# Altium PCB Turbo.PcbDoc (part 1 of 3)
Units mil, origin at the board's own origin, x right, y up, seen from the top; angles counter-clockwise.
Board outline 2244.09 x 2086.61 mil, 4 copper layers (Top Layer, GND, Power, Bottom Layer), stack 23.756 mil thick; 189 components, 157 nets, 733 pads, 481 vias.
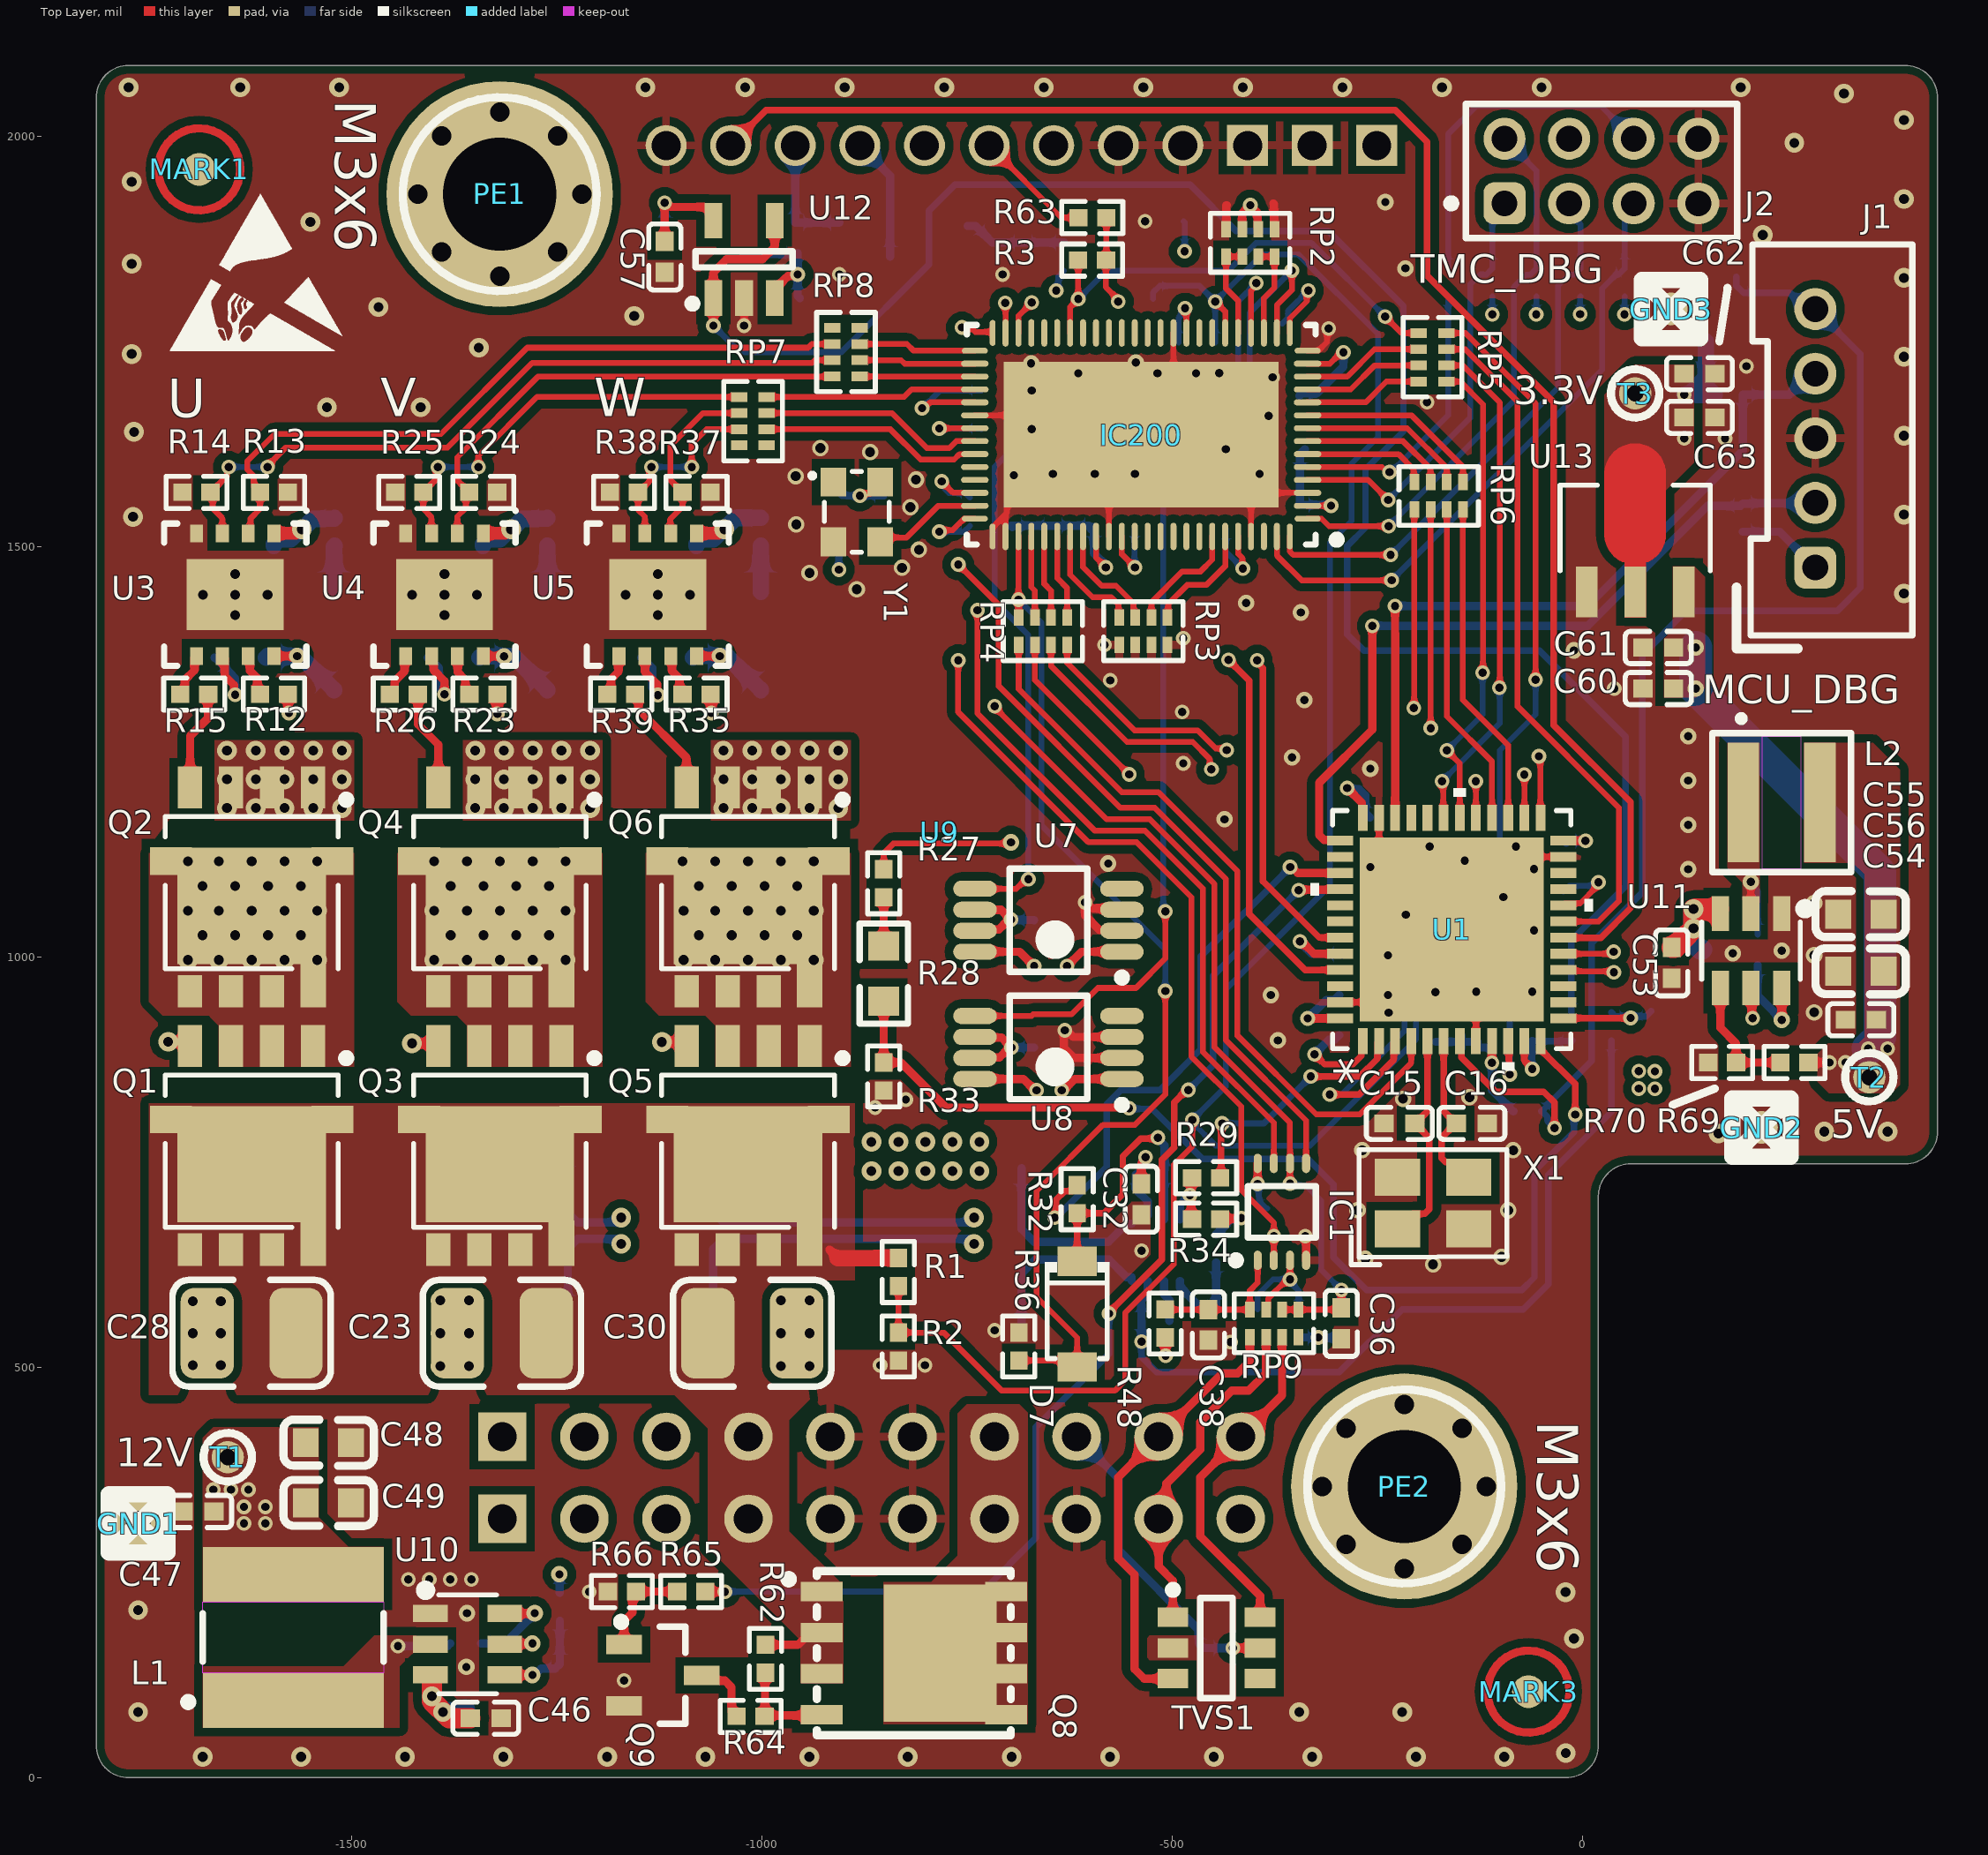
[diagram p0: Top Layer view]
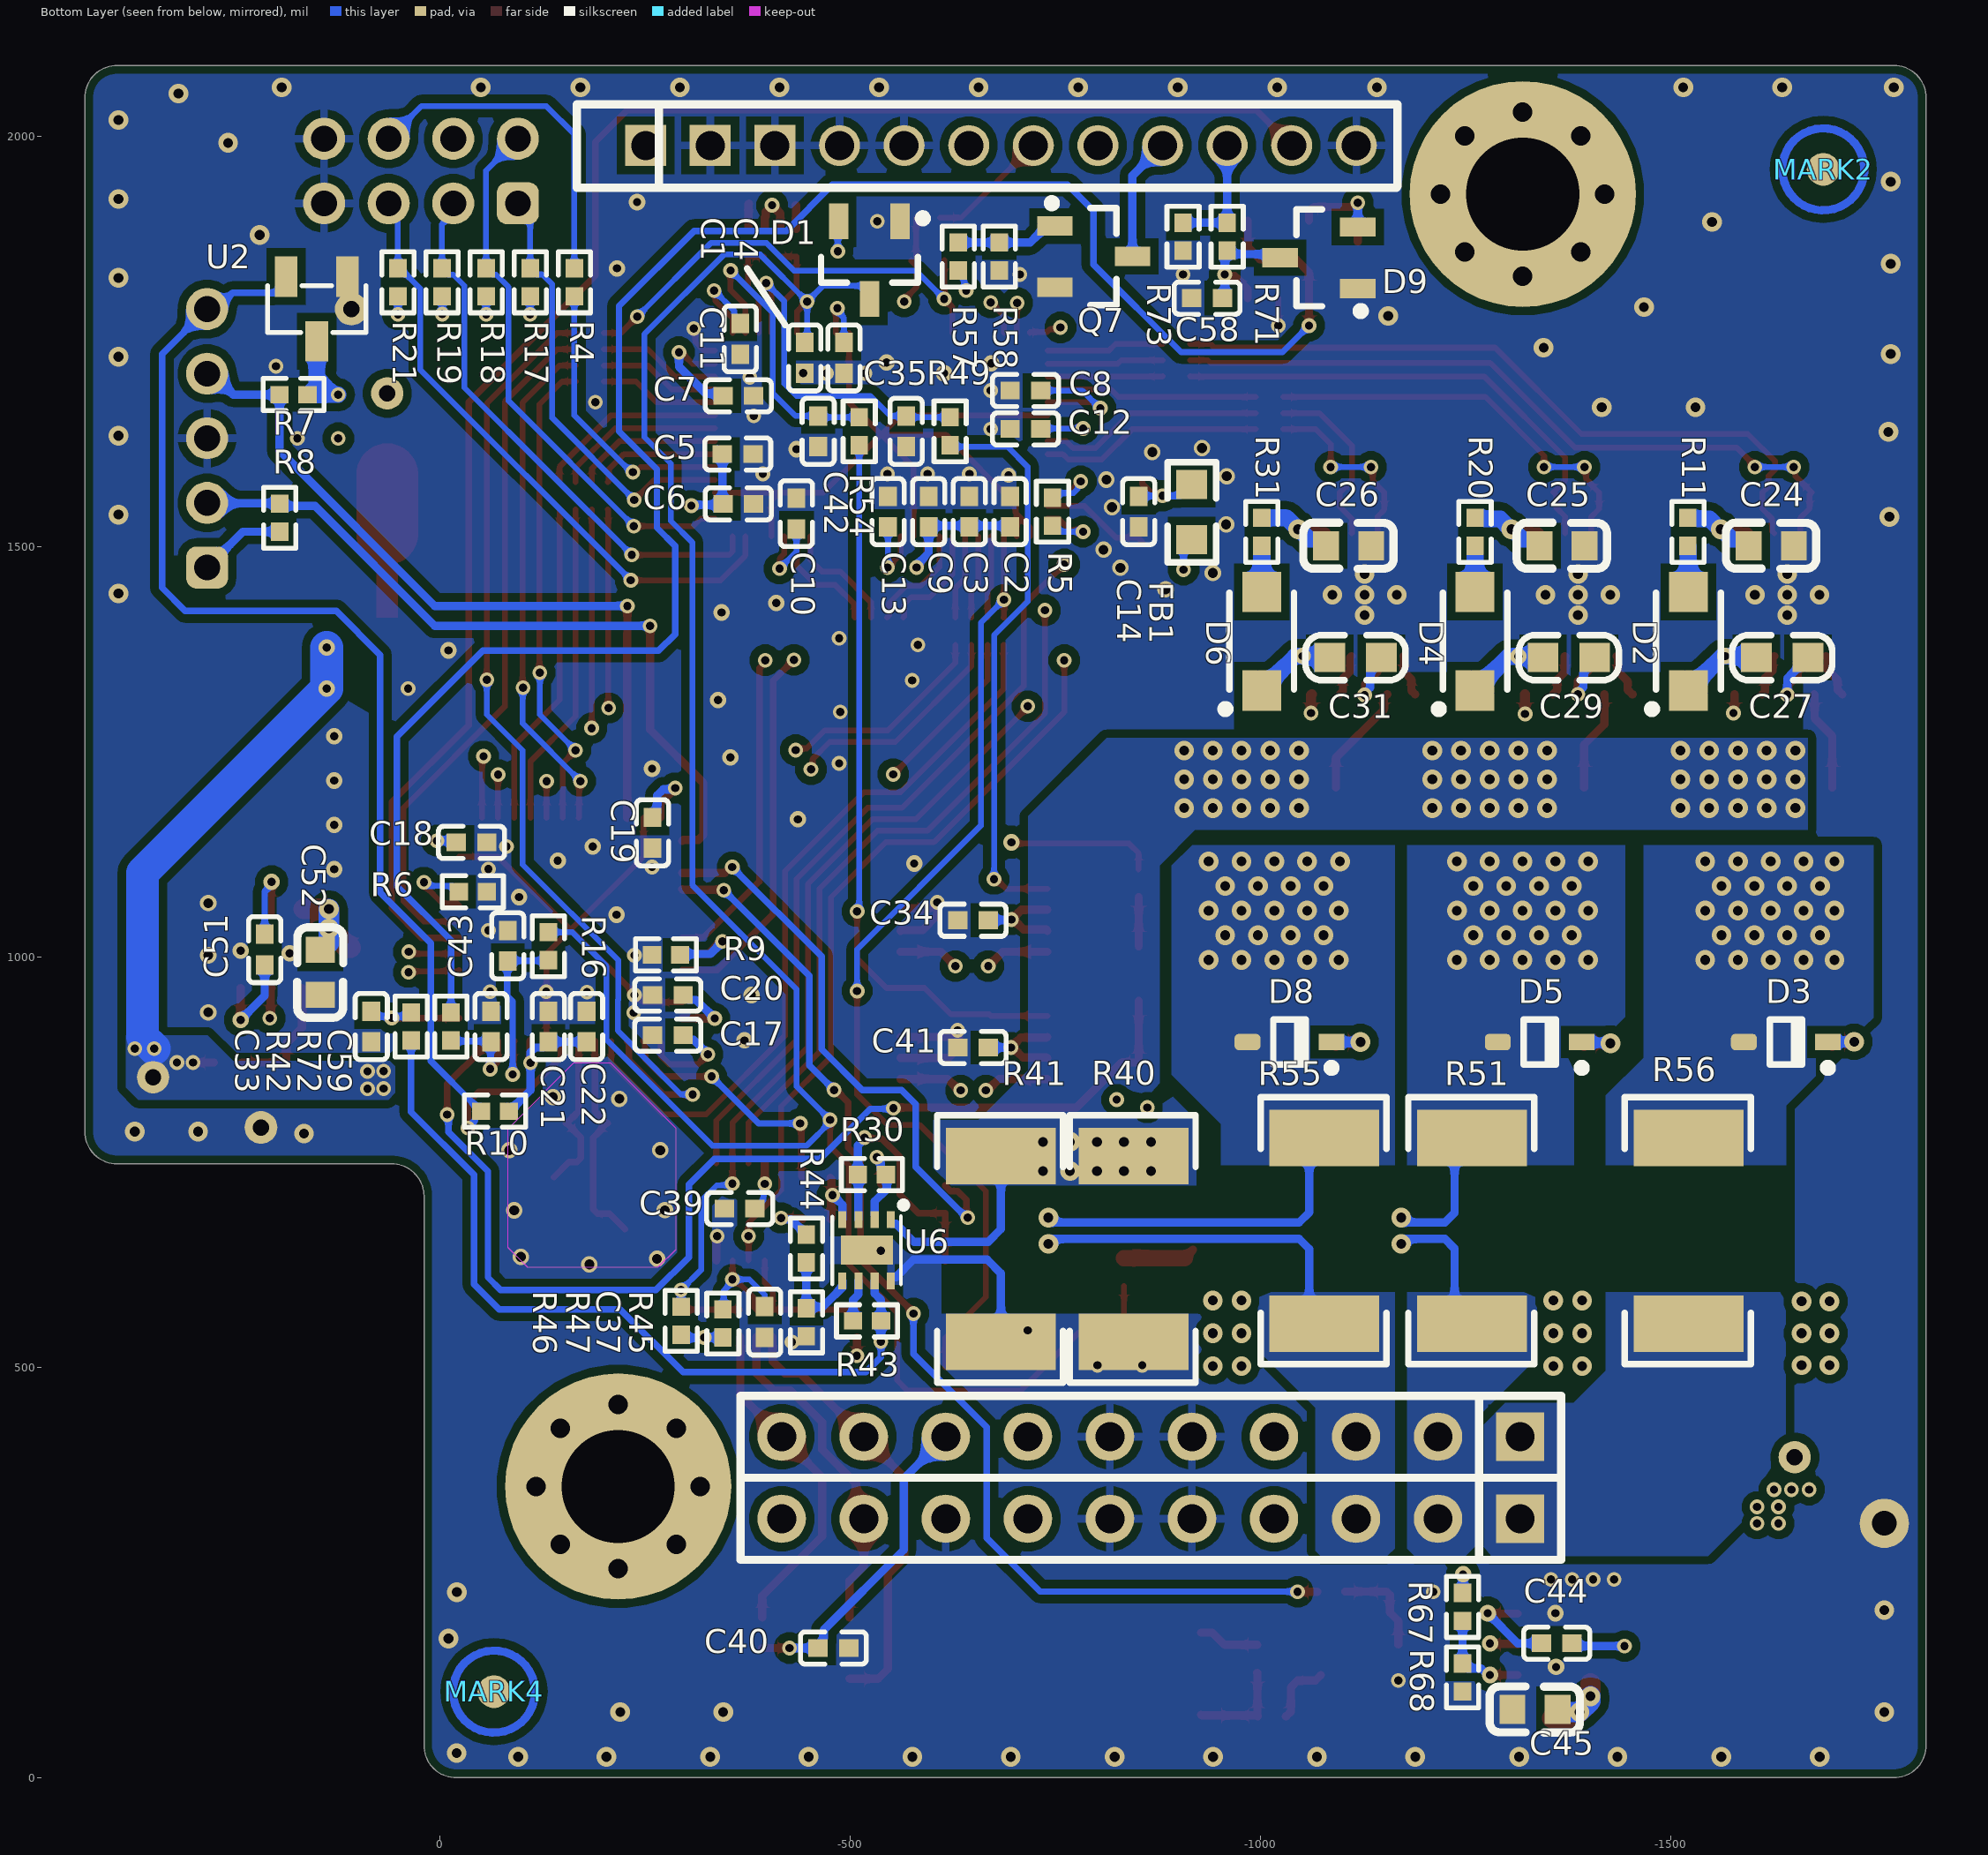
[diagram p1: Bottom Layer view, seen from below]
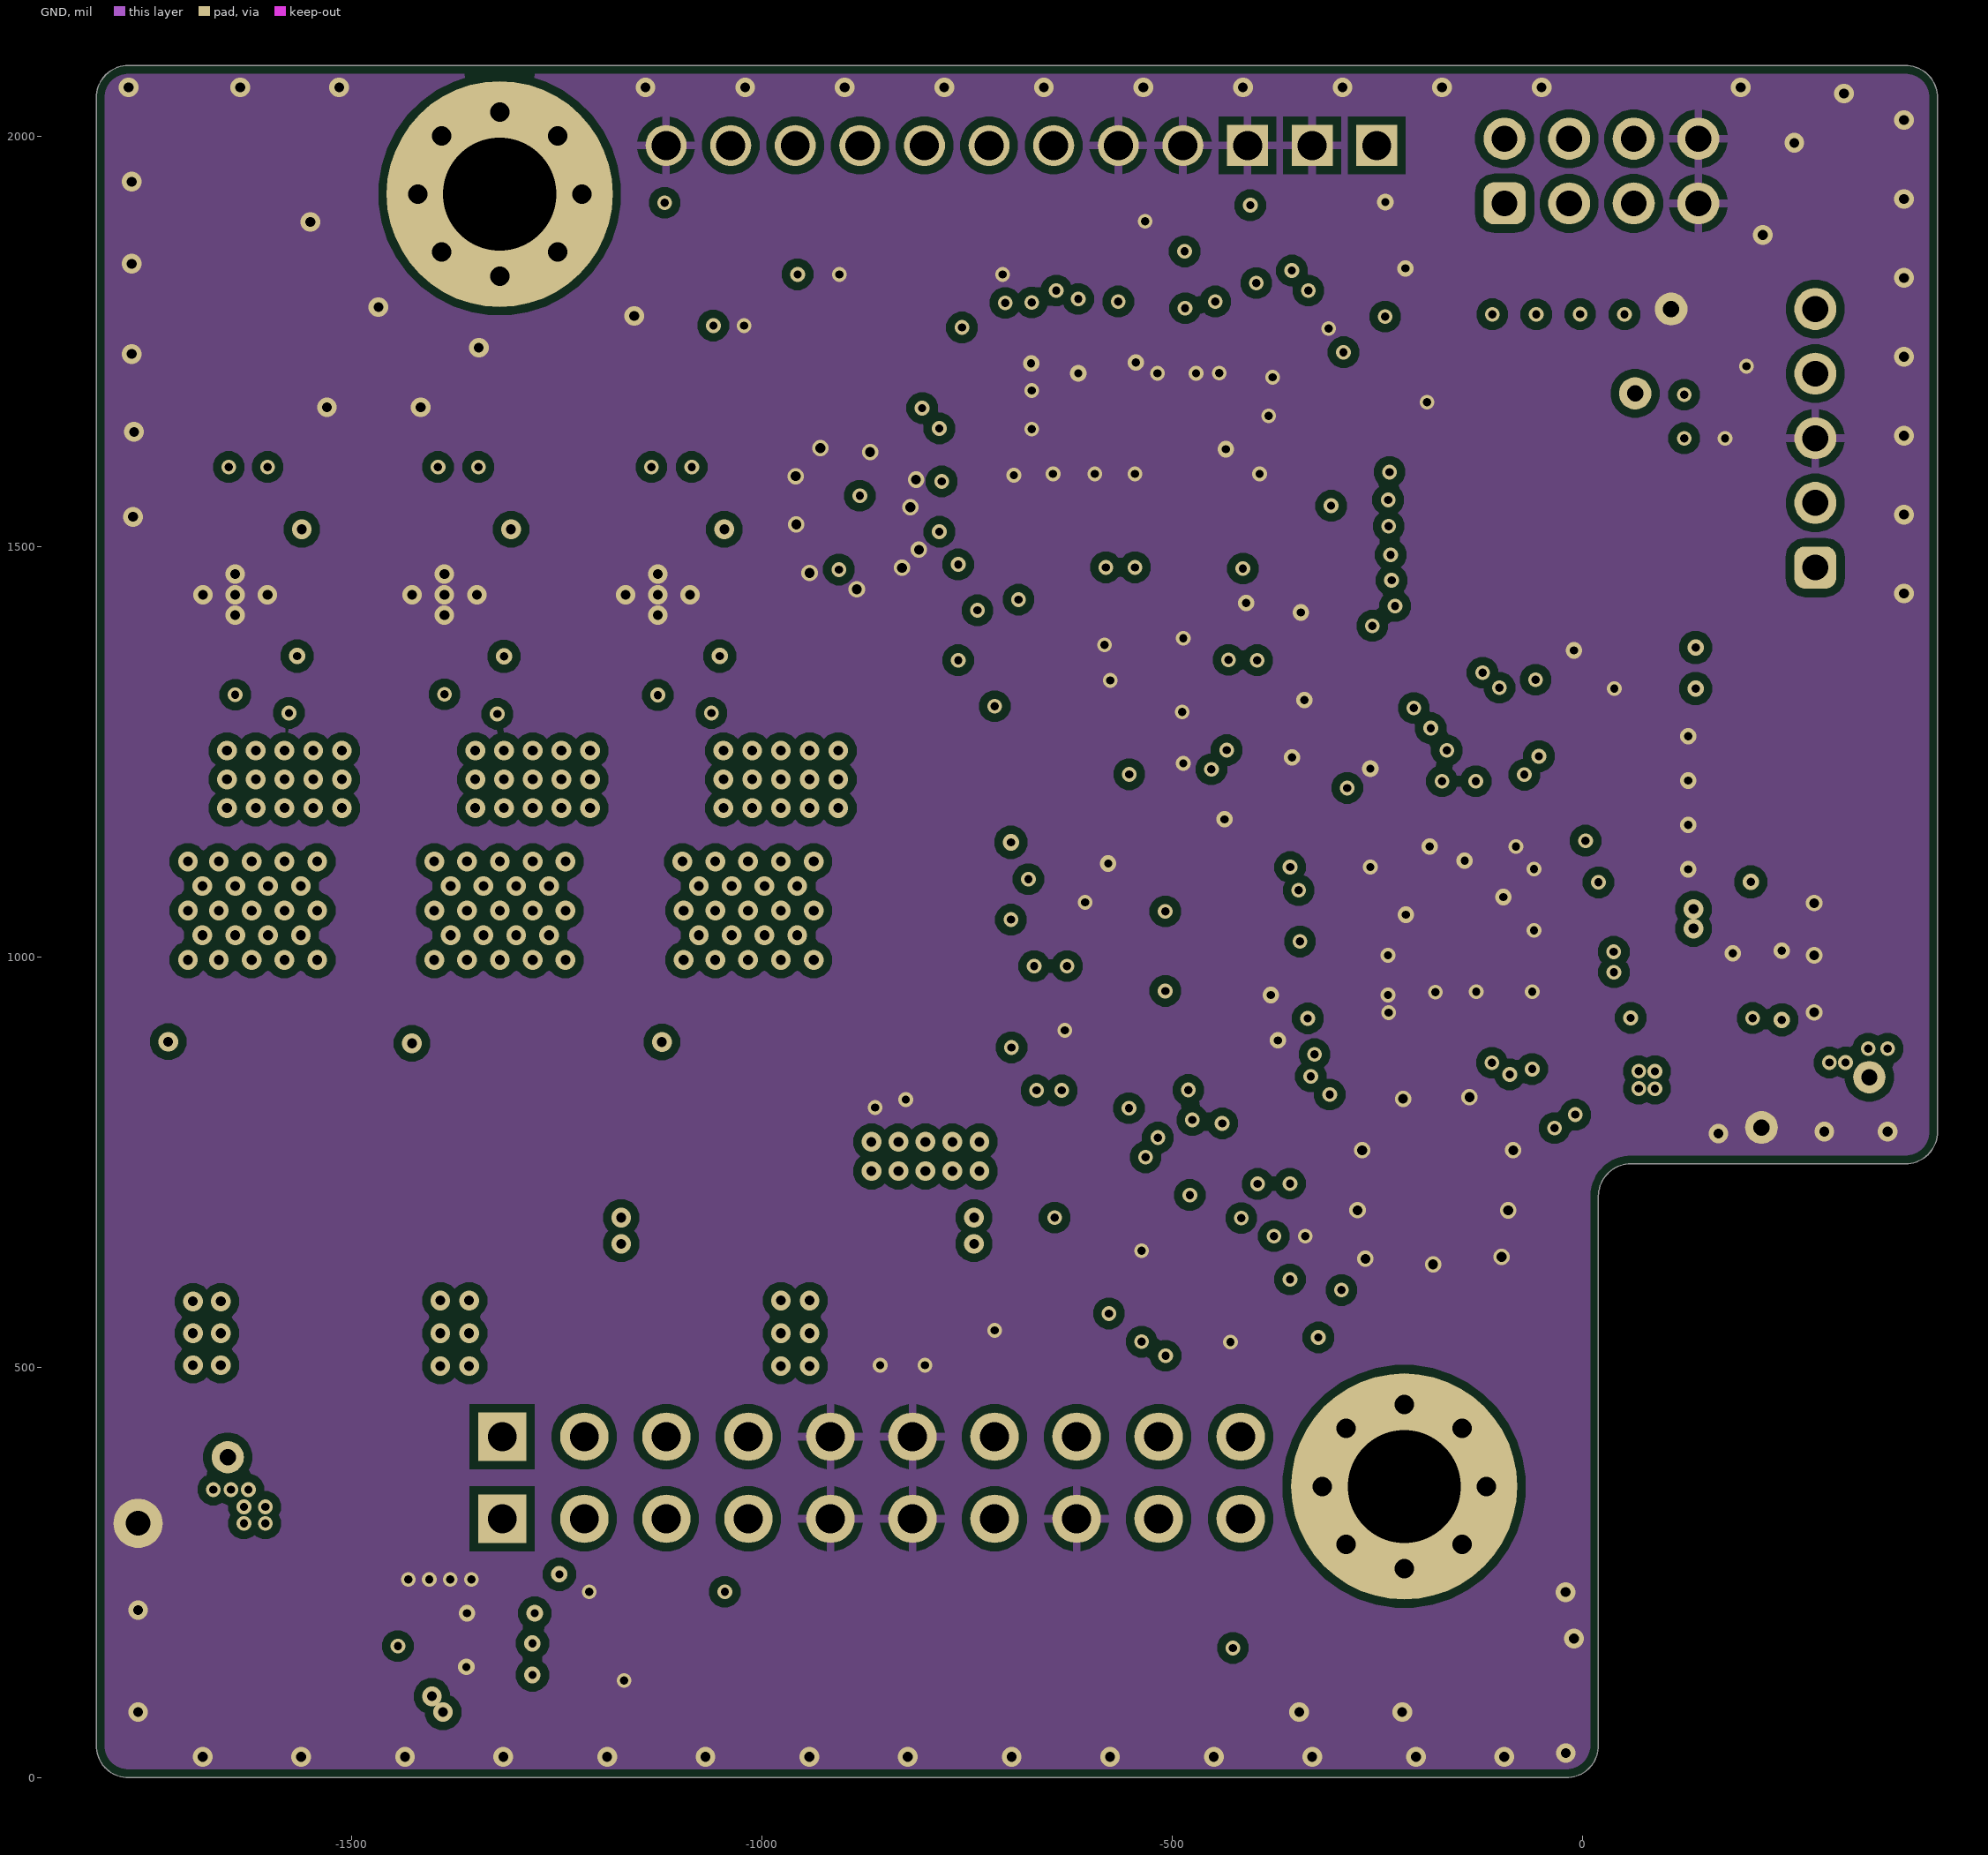
[diagram p2: GND]
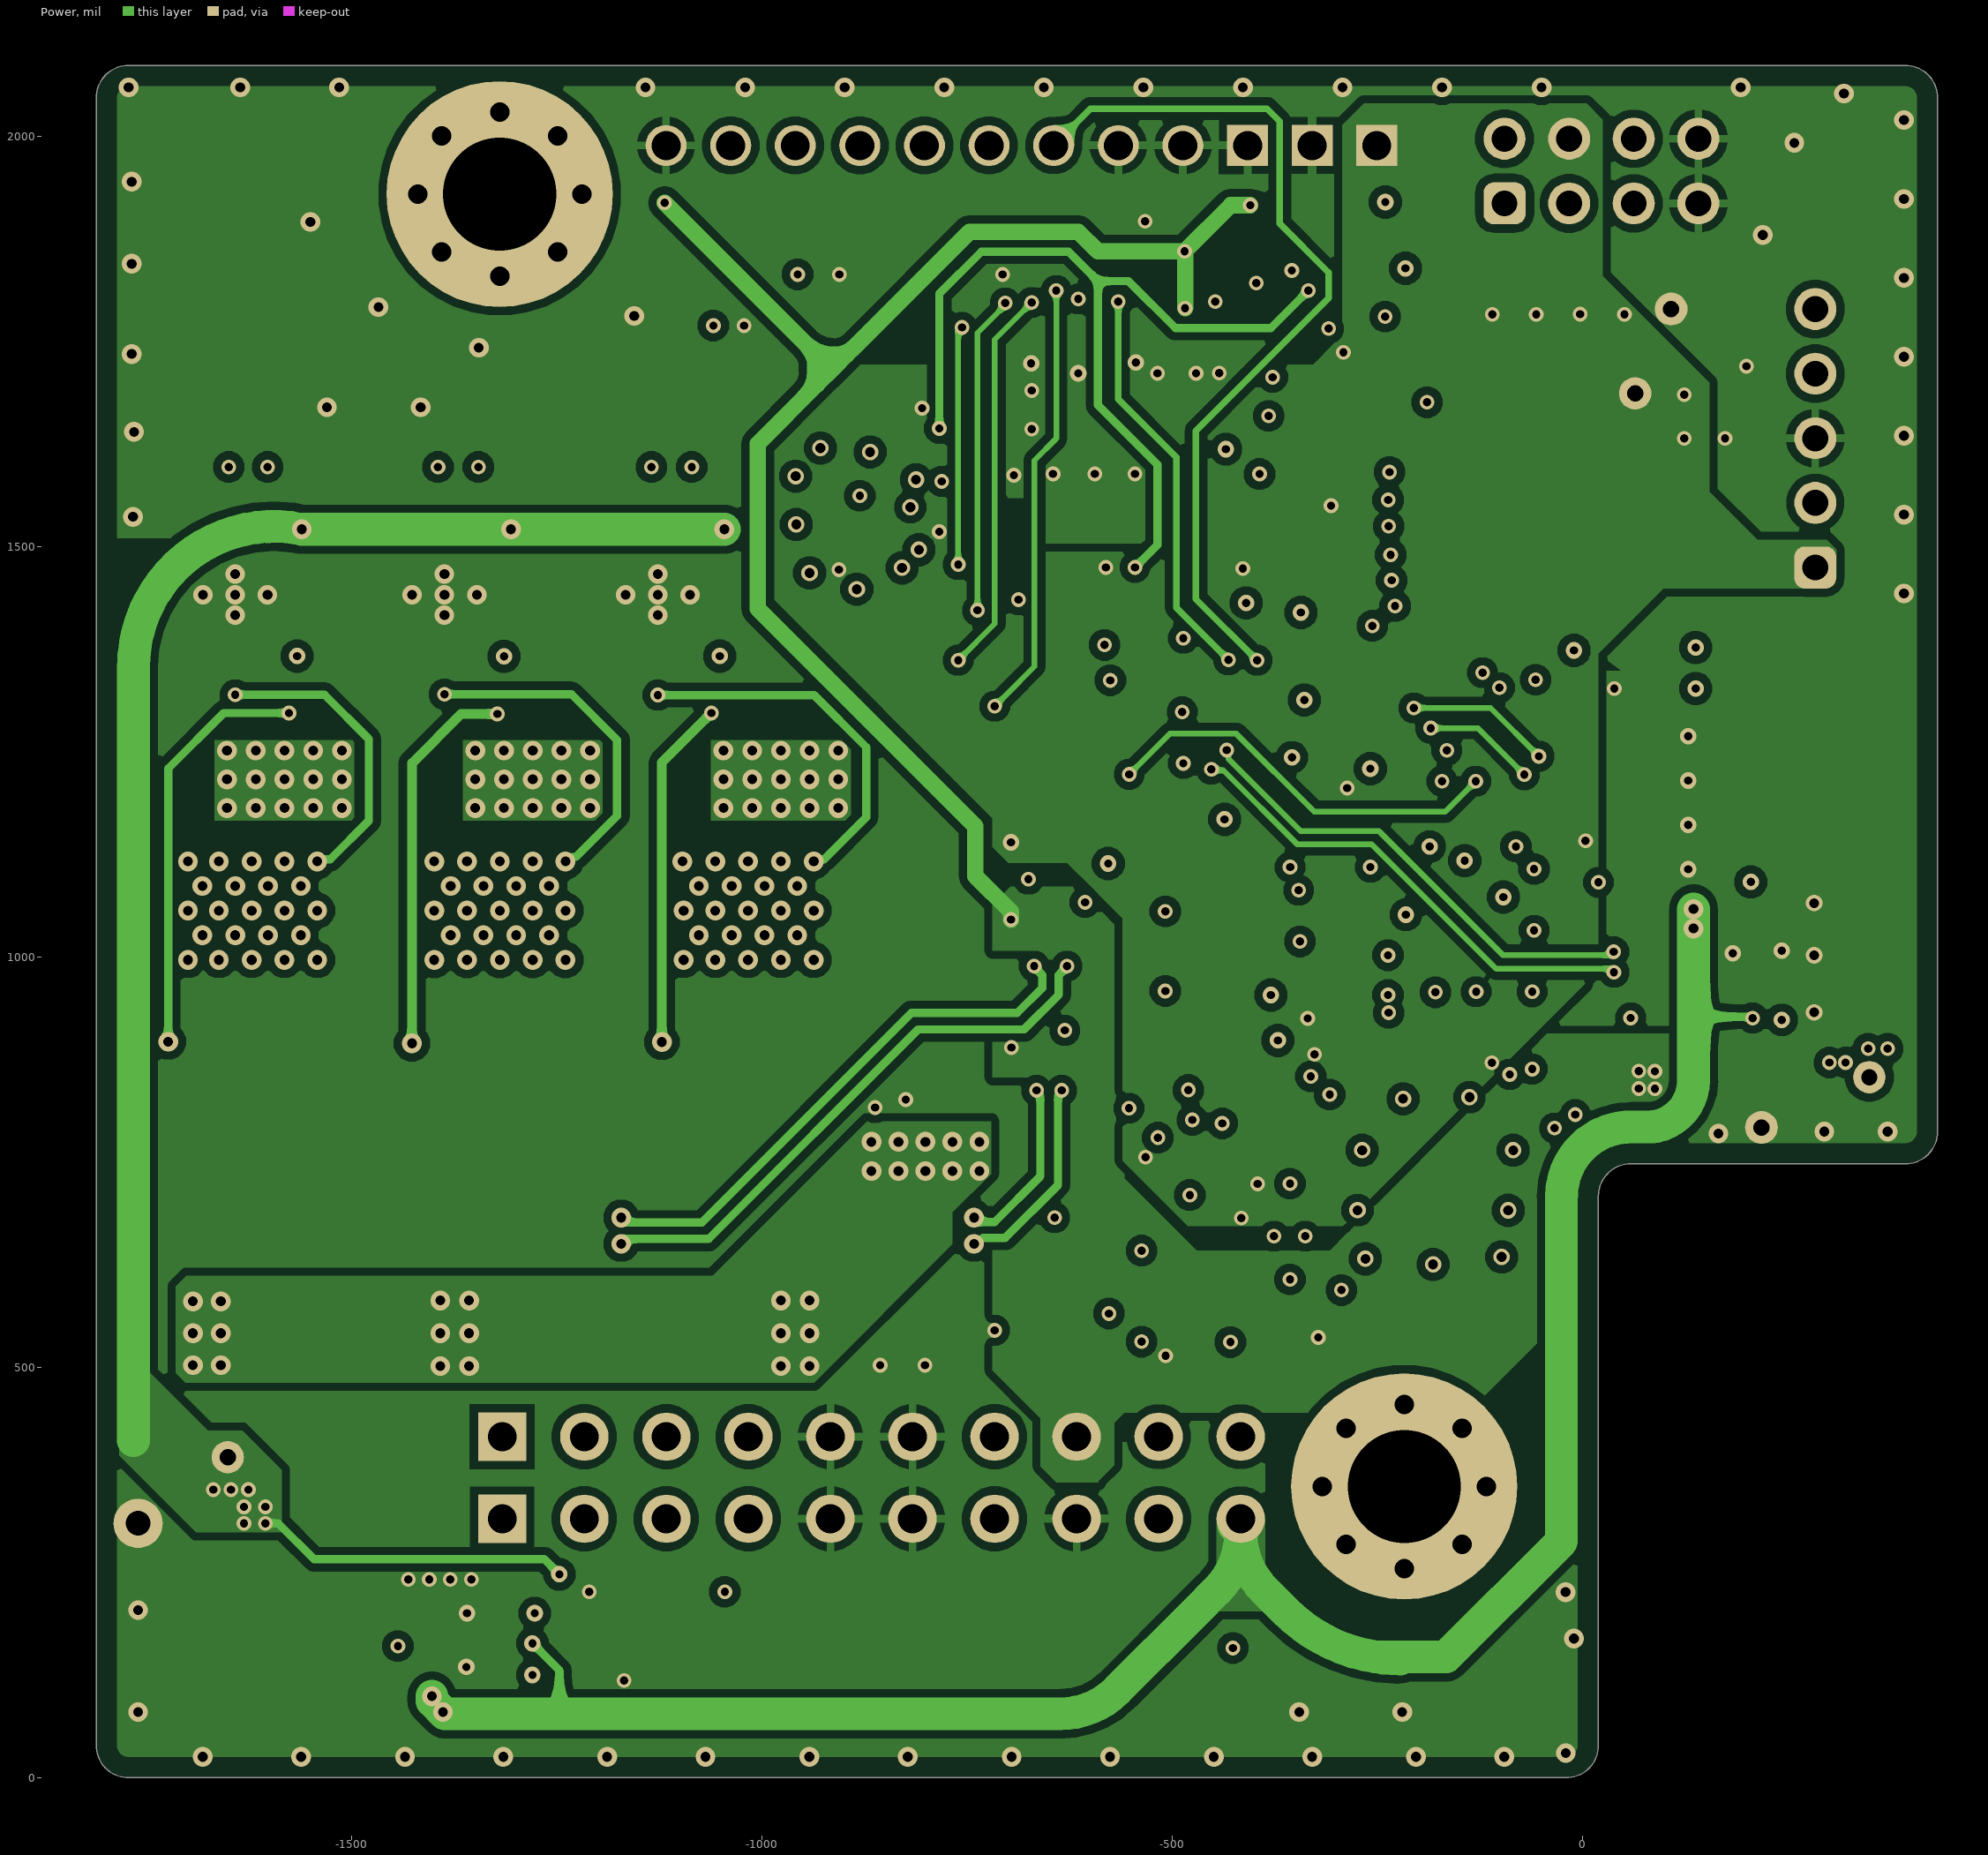
[diagram p3: Power]

## Layer stack, top to bottom
Top Solder: solder mask 0.4, Solder Resist, Dk 3.5
Top Layer: signal copper 1.4
Dielectric 2: prepreg 2.8, PP-006, Dk 4.1
GND: signal copper 1.378
Dielectric 1: dielectric 12.6, FR-4, Dk 4.8
Power: signal copper 1.378
Dielectric 3: prepreg 2.8, PP-006, Dk 4.1
Bottom Layer: signal copper 1.4
Bottom Solder: solder mask 0.4, Solder Resist, Dk 3.5

## Board outline
-1811.02,39.37 ccw(c-1771.65,39.37) -1771.65,0 -19.69,0 ccw(c-19.69,39.37) 19.68,39.37 19.68,708.66 cw(c59.06,708.66) 59.06,748.03 393.7,748.03 ccw(c393.7,787.4) 433.07,787.4 433.07,2047.24 ccw(c393.7,2047.24) 393.7,2086.61 -1771.65,2086.61 ccw(c-1771.65,2047.24) -1811.02,2047.24
